# Altium PCB MB1936.PcbDoc (part 12 of 13)
Units mm, origin at the board's own origin, x right, y up, seen from the top; angles counter-clockwise.
Board outline 172 x 137 mm, 6 copper layers (Top Layer, Signal Layer 1, Signal Layer 2, Signal Layer 3, Signal Layer 4, Bottom Layer), stack 1.549 mm thick; 859 components, 672 nets, 3477 pads, 2222 vias.
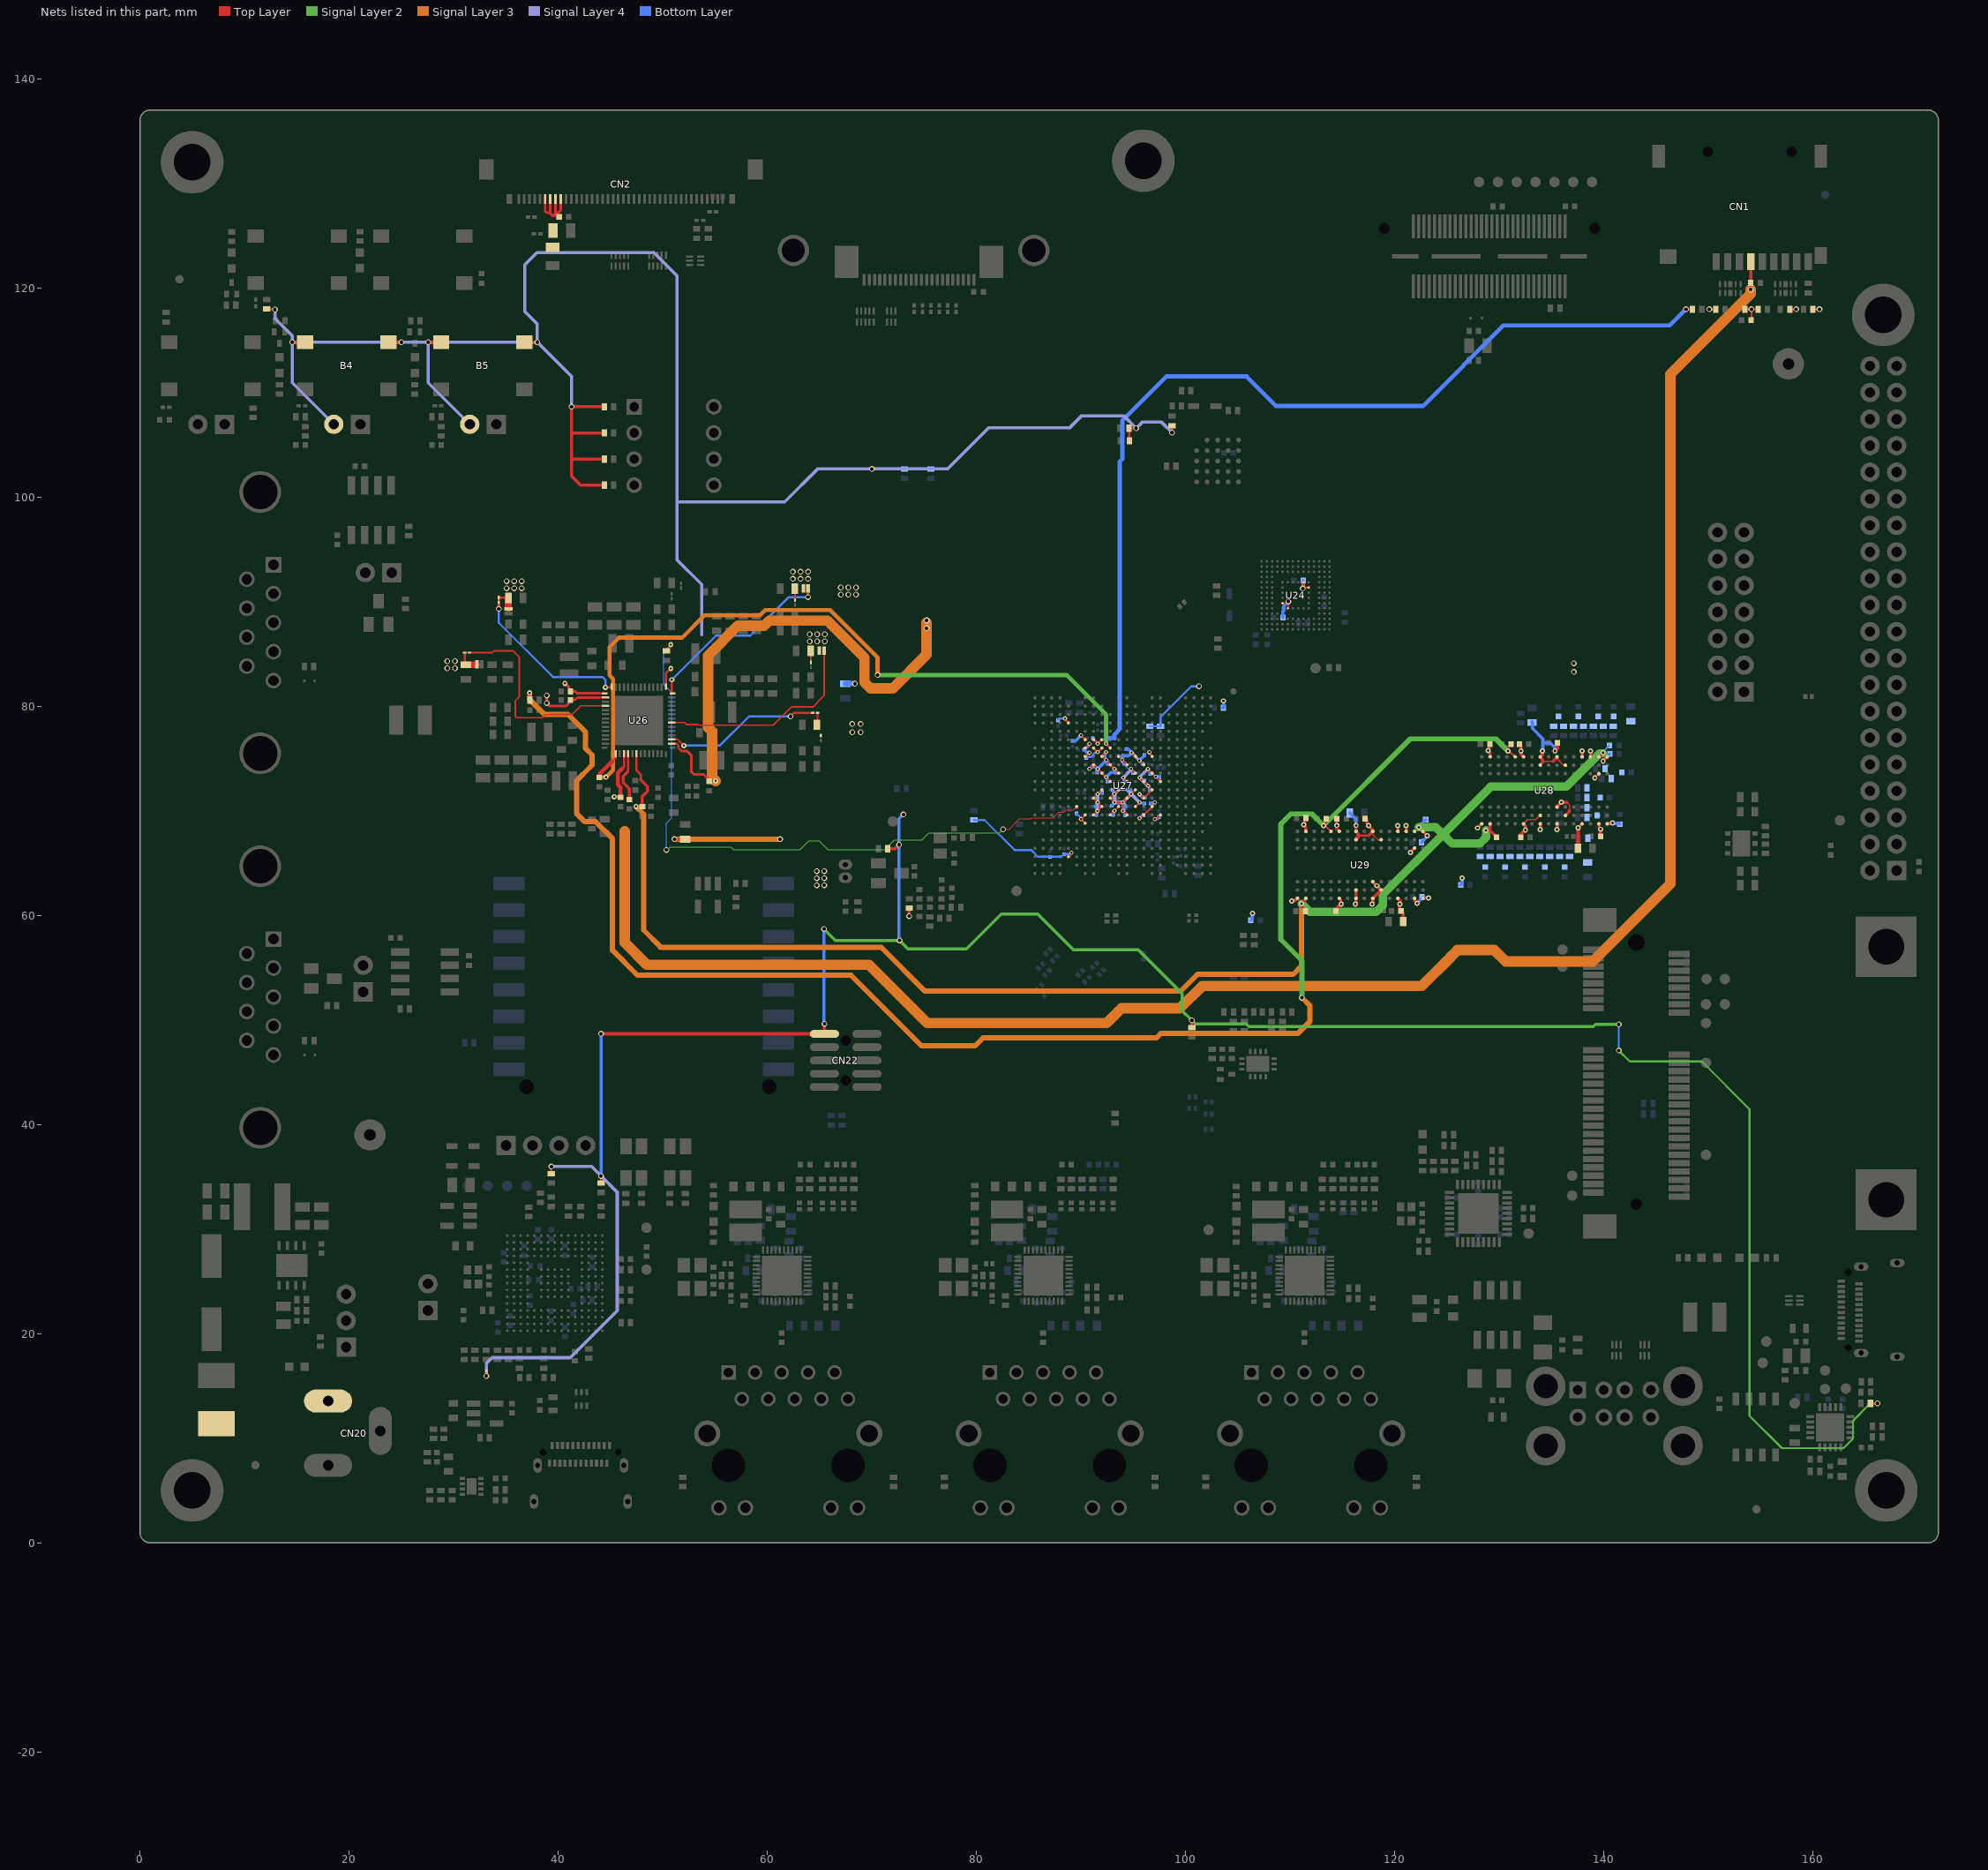
[diagram p16: the nets of this part, all layers, seen from the top]

## Via types
v1: diameter 0.55, hole 0.35, Top Layer to Bottom Layer, 1661 vias
v2: diameter 0.4, hole 0.2, Top Layer to Bottom Layer, tented both sides, 253 vias
v3: diameter 0.5, hole 0.2, Top Layer to Bottom Layer, 157 vias
v4: diameter 0.5, hole 0.25, Top Layer to Bottom Layer, 145 vias
v5: diameter 0.4, hole 0.2, Top Layer to Bottom Layer, 6 vias

## Nets (pads, with @x,y where several pads share a name; then routed paths per layer and width w, separated by ;. In a path a pad name is that pad's centre, name@x,y a point inside that pad or via, vN(x,y) a via of type N, cw(c..) or ccw(c..) an arc to the next point about the centre after c; other vN are vias at no path point) (continued)
VDD_DDR: C39.2 C48.2 C50.2 C51.2 C77.2 C79.2 C80.2 C82.2 C84.2 C85.2 C93.2 C94.2 C99.2 C188.2 C189.2 C202.2 C216.2 C217.2 C218.2 C224.2 C227.2 C230.1 C236.2 C237.2 C238.2 C243.2 C247.2 C261.2 C262.2 C264.2 LNK8.2 LNK9.2 R47.2 U26.43 U27.K15 U27.L14 U27.L16 U27.M15 U27.N14 U27.P15 U27.R14 U27.R16 U28.A1 U28.A9 U28.B3 U28.B9 U28.C1 U28.D1 U28.D9 U28.F2 U28.F8 U28.G1 U28.G7 U28.G9 U28.J1 U28.J2 U28.J8 U28.J9 U28.L1 U28.L9 U28.R1 U28.T9 U29.A1 U29.A9 U29.B3 U29.B9 U29.C1 U29.D1 U29.D9 U29.F2 U29.F8 U29.G1 U29.G7 U29.G9 U29.J1 U29.J2 U29.J8 U29.J9 U29.L1 U29.L9 U29.R1 U29.T9 | length 77.5
  Top Layer w0.09: U29.J8@116.269,62.399 U29.J8@116.269,62.424 ; 135.525,74.975 U28.G1@135.525,75.094
  Top Layer w0.1: U27.R16@97.575,69.6 U27.R16@97.6,69.6
  Top Layer w0.15: 117.718,67.815 117.757,67.815 117.797,67.775 117.845,67.775 118.389,67.232 118.694,67.232 U29.F2@118.7,67.225 ; U29.G1@117.9,67.998 U29.G1@117.9,68.025 ; U28.L9@132.325,68.75 132.325,68.775 132.7,69.15 133.475,69.15 U28.J8@133.936,69.611 ; 134.158,74.728 135.167,74.728 ; 135.525,74.975 136.15,74.35 U28.F2@136.325,74.35 ; 136.45,70.8 136.725,70.525 136.725,70.05
  Top Layer w0.2: LNK8.2@31.075,85.125 31.075,84.077 R47.2@31.175,83.977 ; v2(95.6,69.275) 95.675,69.275 U27.P15@96.8,70.4 97.05,70.65 v2(97.05,70.8) ; v2(95.6,73.15) 95.65,73.15 U27.L14@96,72.8 v2(96.42,72.379) ; v2@95.625,71.575 U27.N14@96,71.2 U27.M15@96.8,72 v2@96.421,72.379 ; v2(96.4,74) U27.K15@96.8,73.6 v2(97.15,73.25) ; v2(97.05,69.2) 97.2,69.2 U27.R16@97.6,69.6 ; v2@97.125,73.275 v2(97.15,73.25) ; U27.L16@97.6,72.8 v2(97.15,73.25) ; 116.526,67.625 117.535,67.625 ; U29.B9@121.9,61.625 121.906,61.619 121.906,61.394 v4(122.15,61.15) ; U29.A9@122.7,61.625 122.725,61.65 123.225,61.65 v4(123.25,61.675)
  Top Layer w0.21: 43.975,81.227 U26.43@44.53,81.227
  Top Layer w0.25: 40.895,81.952 40.899,81.952 41.045,81.806 41.045,81.512 C39.2@41.155,81.402 ; C39.2@41.205,81.402 41.675,81.402 41.85,81.227 43.975,81.227
  Top Layer w0.3: v3@40.644,82.203 40.895,81.952 ; v4@110.105,61.41 v4(110.144,61.372) 110.182,61.41 110.459,61.41 110.673,61.625 U29.T9@110.7,61.625 ; U29.R1@111.5,68.025 111.481,68.044 111.481,68.415 111.3,68.596 v4(111.3,68.65) 111.3,68.704 111.42,68.824 111.42,69.195 C77.2@111.525,69.3 ; C94.2@114.356,60.385 C94.2@114.394,60.422 ; C79.2@114.45,69.197 v4(114.45,68.6) 114.45,68.3 114.7,68.05 U29.L1@114.7,68.025 ; C94.2@114.468,60.697 114.846,61.075 v4(114.9,61.075) 114.862,61.113 114.862,61.436 114.7,61.598 U29.L9@114.7,61.625 ; v4(116.25,61.075) 116.3,61.125 U29.J9@116.3,61.625 U29.J8@116.3,62.425 ; U29.J2@116.3,67.225 116.32,67.244 116.32,67.317 116.526,67.524 116.526,67.625 116.526,67.772 116.3,67.998 U29.J1@116.3,68.025 v4(116.3,68.6) ; C80.2@117.325,69.25 117.325,68.857 117.4,68.782 117.4,68.729 117.5,68.629 v4(117.5,68.575) 117.5,68.55 117.881,68.169 117.881,68.044 U29.G1@117.9,68.025 ; 117.535,67.625 117.535,67.632 117.718,67.815 U29.G1@117.9,67.998 ; v4@117.896,61.08 117.9,61.084 U29.G9@117.9,61.625 U29.F8@118.7,62.425 118.688,62.425 118.3,62.813 v4(118.3,62.825) 117.913,63.213 117.9,63.213 U29.G7@117.9,63.225 ; U29.D9@120.3,61.625 120.5,61.425 v4(120.5,61.075) 120.47,61.045 120.47,60.53 120.575,60.425 120.825,60.175 C99.2@120.825,59.4 ; U29.D1@120.3,68.025 v4(120.3,68.575) ; U29.C1@121.1,68.025 v4(121.1,68.575) ; v4(121.5,66.025) U29.B3@121.9,66.425 ; U29.A1@122.7,68.025 v4(123.1,67.625) ; v4(127.927,68.35) 128.305,68.728 U28.T9@128.332,68.728 ; C51.2@129.052,76.298 129.052,75.927 128.932,75.807 128.932,75.699 129.113,75.518 U28.R1@129.113,75.147 ; C50.2@131.925,76.325 131.925,76.3 132.082,76.143 132.082,75.703 132.082,75.403 132.332,75.153 U28.L1@132.332,75.128 ; C84.2@132.025,67.425 C84.2@132.05,67.45 132.1,67.499 132.1,67.8 132.478,68.178 132.497,68.178 v4@132.5,68.175 ; U28.L9@132.332,68.701 132.5,68.533 v4@132.5,68.175 ; v4(132.5,68.15) v4@132.5,68.175 ; v4(133.9,68.2) 133.925,68.225 U28.J9@133.925,68.75 ; U28.J1@133.925,75.15 134.125,75.35 v4(134.125,75.7) ; U28.J2@133.932,74.328 133.951,74.347 133.951,74.42 134.158,74.627 134.158,74.728 134.158,74.875 U28.J1@133.932,75.101 ; 135.167,74.728 135.167,74.735 U28.G1@135.525,75.094 ; v4(135.325,75.7) 135.575,75.95 C48.2@135.575,76.375 ; v4(135.5,68.2) 135.525,68.225 U28.G9@135.525,68.75 ; U28.G7@135.525,70.35 135.525,70.4 v4(135.925,70.8) 136.45,70.8 ; U28.F8@136.325,69.55 136.725,69.95 136.725,70.05 ; C85.2@137.525,66.425 137.542,66.442 137.542,68.367 v4(137.55,68.375) 137.903,68.728 U28.D9@137.932,68.728 ; U28.D1@137.932,75.128 v4@137.932,75.678 ; U28.C1@138.732,75.128 v4@138.732,75.678 ; v4(139.125,73.15) U28.B3@139.525,73.55 ; U28.B9@139.525,68.75 139.535,68.74 139.535,68.445 139.7,68.279 v4(139.7,68.225) 139.688,68.213 139.688,67.563 C82.2@139.675,67.55 ; v4(139.925,74.75) U28.A1@140.325,75.15 ; U28.A9@140.325,68.75 140.335,68.76 140.73,68.76 140.796,68.825 v4(140.85,68.825)
  Top Layer w0.64: R47.2@31.175,83.977 LNK9.2@32.173,83.977
  Signal Layer 4 w0.3: v2(95.6,73.15) 96.356,72.394 96.406,72.394 v2@96.425,72.375 ; v2@95.716,73.179 95.716,73.316 v2(96.4,74)
  Bottom Layer w0.09: C202.2@140.55,75.425 C202.2@140.575,75.4
  Bottom Layer w0.2: v2(96.4,74) 96.4,73.946 96.549,73.796 96.549,73.599 C216.2@96.624,73.524 ; C216.2@96.631,73.524 96.704,73.452 96.933,73.452 97.135,73.25 v2(97.15,73.25) ; v2@97.125,73.275 v2(97.15,73.25) ; v2@97.15,73.23 v2(97.15,73.25)
  Bottom Layer w0.3: v2@95.6,69.229 v2(95.6,69.275) 95.875,69.55 95.95,69.55 C243.2@95.975,69.575 ; v2(95.6,71.575) 95.9,71.275 C227.2@96.1,71.275 ; v2(95.6,73.15) 95.627,73.15 95.863,72.914 96.035,72.914 96.074,72.874 96.099,72.85 96.099,72.7 v2(96.42,72.379) ; v2@96.425,72.375 96.425,72.347 96.549,72.223 96.549,71.999 C224.2@96.574,71.974 ; C230.1@96.675,70.7 96.7,70.725 96.948,70.725 97.023,70.8 v2(97.05,70.8) ; v2(97.05,69.2) 97.069,69.219 97.269,69.219 C237.2@97.45,69.4 ; v2@97.125,73.275 97.425,73.275 C217.2@97.5,73.2 ; C189.2@103.62,79.846 103.625,79.851 v4(103.625,80.5) ; C264.2@106.25,59.525 106.4,59.675 v4(106.4,60.175) ; C236.2@115.7,69.8 116.088,69.412 ; 116.125,69.375 116.3,69.2 v4(116.3,68.6) ; v4@122.075,61.1 122.65,61.675 v4(123.25,61.675) ; C247.2@122.575,66.975 123.1,67.5 v4(123.1,67.625) ; C261.2@126.3,62.9 126.45,63.05 v4(126.45,63.55) ; C188.2@133.125,78.5 C188.2@133.125,78.425 133.166,78.384 133.166,77.873 134.166,76.873 134.166,76.487 ; v4(134.125,75.7) 134.166,75.741 134.166,76.487 ; v4(135.325,75.7) 135.325,76.025 134.864,76.487 134.166,76.487 ; v4(139.925,74.75) 139.925,74.8 140.55,75.425 C202.2@140.438,75.313 ; v4@140.875,68.775 141.475,68.775 C238.2@141.525,68.725
  other v1: 29.4,83.625 30.125,83.625 29.4,84.3 30.125,84.3
  other v3: 40.65,82.175
  other v4: 117.85,61.075 137.925,75.7 138.725,75.7 132.075,75.725 128.925,75.75
VDD_DDR_FB: LNK8.1 U26.46 | length 20.1
  Top Layer w0.15: LNK8.1@31.525,85.125 33.7,85.125 33.875,85.3 35.687,85.3 35.871,85.116 36.275,84.712 36.275,80.875 35.9,80.5 35.9,79.017 36.017,78.9 38.467,78.9 38.767,79.2 39.437,79.2 39.439,79.202 41.327,79.202 42.152,80.027 U26.46@44.53,80.027
VDD_EMMC: C65.1 C177.2 C180.2 U24.E6 U24.F5 U24.J10 U24.K9 U26.16 | length 54.6
  Top Layer w0.2: U24.E6@109.275,89.85 109.58,89.85 109.73,90 v1(109.825,90) ; U24.F5@109.775,89.35 109.775,89.358 109.825,89.408 v1@109.825,89.85 ; v1(111.2,91.25) v1@111.275,91.325 ; U24.J10@111.275,91.85 111.275,91.42 111.267,91.412 111.267,91.333 v1@111.275,91.325 ; U24.K9@111.775,91.35 111.395,91.35 111.362,91.317 111.283,91.317 v1@111.275,91.325
  Top Layer w0.21: U26.16@50.87,76.427 51.3,76.427 51.488,76.24 51.488,76.015 51.634,75.868
  Top Layer w0.25: 51.632,75.865 51.798,75.699 52.328,75.699 52.725,75.302 52.725,73.752 53,73.477 53.895,73.477 54.45,72.922 C65.1@54.45,72.852
  Top Layer w0.3: C65.1@54.45,72.852 v3(55.06,72.852)
  Signal Layer 3 w1: v3(55.06,72.852) 54.705,73.207 54.705,77.595 54.35,77.95 54.35,84.85 57.206,87.706 59.719,87.706 60.188,88.175 65.75,88.175 69.3,84.625 69.3,82.286 69.886,81.7 72,81.7 75.225,84.925 v1(75.225,87.45) v1@75.225,88
  Bottom Layer w0.3: C180.2@109.3,88.475 109.3,89.049 109.4,89.149 109.4,89.575 v1(109.825,90) ; v1(111.2,91.25) 111.225,91.275 111.225,92 C177.2@111.25,92.025
  other v1: 75.225,88.2
VDD_SDCARD: C6.2 C72.1 CN1.4 U26.4 | length 188
  Top Layer w0.21: 46.125,74.027 46.3,74.202 U26.4@46.3,75.457
  Top Layer w0.3: v3(45.365,71.337) C72.1@45.975,71.337 ; v1(154.05,119.83) C6.2@154.05,120.48 CN1.4@154.05,122.5
  Top Layer w0.4: C72.1@45.975,71.337 45.975,72.22 45.71,72.485 45.71,73.612 46.125,74.027
  Signal Layer 3 w1: 46.375,68.025 46.375,57.375 48.475,55.275 69.725,55.275 75.3,49.7 92.45,49.7 93.875,51.125 99.475,51.125 101.6,53.25 122.6,53.25 125.4,56.05 125.4,56.089 125.986,56.675 129.525,56.675 130.6,55.6 138.95,55.6 146.35,63 146.35,111.725 154.05,119.425 v1(154.05,119.83)
VDD_XXXX: C73.1 U26.5 | length 4.6
  Top Layer w0.21: 46.578,73.655 46.7,73.777 U26.5@46.7,75.457
  Top Layer w0.3: 46.578,73.655 46.21,73.287 46.21,72.692 46.8,72.102 46.8,71.337
VDDA1V8_AON: C234.2 R58.2 R70.1 U27.R7 U27.T7 | length 13.7
  Top Layer w0.2: v2(90,69.2) U27.R7@90.4,69.6 ; v2(90,69.2) U27.T7@90.4,68.8
  Top Layer w0.3: v1(51.125,67.275) R58.2@52.15,67.275 ; v1(73.575,59.925) R70.1@73.575,60.675
  Signal Layer 3 w0.5: v1(51.125,67.275) v1(61.225,67.275)
  Bottom Layer w0.2: C234.2@89.575,69.7 89.625,69.7 89.962,69.364 89.962,69.238 v2(90,69.2)
VDDCORE: C192.2 C197.2 C201.2 C204.1 C207.2 C210.2 C213.2 C214.2 C219.1 LNK2.2 LNK5.1 R36.2 R249.1 U27.D5 U27.F7 U27.G7 U27.H7 U27.H9 U27.J8 U27.J10 U27.K9 U27.K11 U27.L10 | length 18.9
  Top Layer w0.2: LNK5.1@62.65,90.15 62.65,91.232 R36.2@62.63,91.252 R36.2@62.653,91.275 ; v2(88.475,78.825) 88.475,78.725 U27.D5@88.8,78.4 ; v2(90,77.2) U27.F7@90.4,76.8 U27.F7@90.425,76.8 ; U27.H7@90.4,75.2 90.425,75.2 90.775,75.55 v2(90.8,75.55) ; U27.G7@90.4,76 v2(90.8,76.4) ; v2(90.8,74) U27.J8@91.2,74.4 v2(91.6,74) v2(92.4,73.2) U27.L10@92.8,72.8 ; v2(92.4,75.6) U27.H9@92,75.2 v2@92.425,74.775 ; v2(92.425,74.85) v2@92.425,74.775 ; U27.K11@93.6,73.6 v2(93.2,74) U27.J10@92.8,74.4 v2@92.425,74.775
  Bottom Layer w0.2: C192.2@87.8,78.7 87.9,78.8 88.038,78.8 v2@88.4,78.8
  Bottom Layer w0.3: C197.2@89.2,76.675 89.475,76.675 v2(90,77.2) ; v2(90.8,74) 91,74.2 91.4,74.2 v2(91.6,74) ; v2(90.8,75.55) 90.576,75.55 C201.2@90.3,75.825 90.8,76.325 v2(90.8,76.4) ; C214.2@91.55,73.65 91.55,73.95 v2(91.6,74) ; v2(92.4,75.6) 92.275,75.475 C204.1@92.275,75.25 92.275,75 v2(92.425,74.85) ; C219.1@92.55,72.825 92.55,73.05 v2(92.4,73.2) 92.85,73.65 C213.2@93.326,73.65 93.325,73.875 v2(93.2,74) ; C210.2@92.551,74.475 92.55,74.725 v2(92.425,74.85) ; v2(91.6,74) 92.425,74.825 v2(92.425,74.85)
  Bottom Layer w0.5: R249.1@67.45,82.15 v1(68.375,82.15)
  other v1: 62.45,92.175 63.175,92.175 63.9,92.175 62.45,92.85 63.175,92.85 63.9,92.85
VDDCORE_FB: LNK2.1 U26.28 | length 18.5
  Top Layer w0.2: U26.28@50.87,81.227 v3(50.87,82.527) ; v1(63.9,90.425) LNK2.1@63.9,91.275
  Bottom Layer w0.2: v3(50.87,82.527) 55.093,86.75 58.375,86.75 62.05,90.425 v1(63.9,90.425)
VDDCPU: C199.2 C200.1 C203.2 C208.2 C209.2 C215.1 C220.2 LNK4.1 LNK6.1 R39.2 U27.H11 U27.H13 U27.H15 U27.J12 U27.J14 U27.K13 U27.L12 | length 13.4
  Top Layer w0.2: LNK4.1@34.325,90.375 35.222,90.375 R39.2@35.245,90.352 ; U27.H11@93.6,75.2 v2(93.945,74.855) U27.J12@94.4,74.4 ; v2(94.045,73.155) U27.L12@94.4,72.8 ; v2(94.775,74.005) 95.18,73.6 U27.K13@95.2,73.6 ; v2(94.845,75.555) U27.H13@95.2,75.2 ; v2(95.595,74.805) U27.J14@96,74.4 ; v2(96.54,75.591) 96.578,75.553 96.578,75.449 96.8,75.227 U27.H15@96.8,75.2
  Top Layer w0.64: LNK6.1@35.225,89.354 R39.2@35.225,90.352
  Signal Layer 4 w0.3: v2(94.045,73.155) 94.756,73.866 94.756,73.986 v2(94.775,74.005) ; v2(94.845,75.555) v2(95.595,74.805)
  Bottom Layer w0.1: C208.2@94.15,74.48 94.15,74.379 94.524,74.005 v2(94.775,74.005)
  Bottom Layer w0.2: v2(94.045,73.155) 94.045,72.855 C220.2@94.125,72.775 ; v2@94.775,73.978 v2(94.775,74.005) ; C215.1@94.95,73.625 94.95,73.803 ; v2(95.595,74.805) 95.633,74.767 95.633,74.692 C209.2@95.875,74.45
  Bottom Layer w0.3: C208.2@94.15,74.48 93.945,74.685 v2(93.945,74.855) 93.945,75.17 C203.2@94.025,75.25 94.548,75.25 v2@94.853,75.555 ; C199.2@94.325,75.875 94.525,75.875 v2(94.845,75.555) ; v2@94.775,73.978 94.95,73.803 ; v2(95.595,74.805) C200.1@96.095,75.305
  other v1: 67.025,90.666 67.75,90.666 68.475,90.666 35.065,91.273 35.79,91.273 36.515,91.273 67.025,91.341 67.75,91.341 68.475,91.341 35.065,91.948 35.79,91.948 36.515,91.948
VDDCPU_FB: LNK4.2 U26.42 | length 15.7
  Top Layer w0.2: v1(34.325,89.3) LNK4.2@34.325,89.925 ; v3(44.525,81.802) U26.42@45.095,81.802
  Bottom Layer w0.2: v1(34.325,89.3) 34.325,87.975 39.51,82.79 44.235,82.79 44.525,82.5 v3(44.525,81.802)
VDDGPU: C222.2 C223.2 C229.1 C231.2 C232.2 C242.2 LNK7.2 LNK10.1 R45.2 U27.M11 U27.M13 U27.N10 U27.N12 U27.P13 U27.R12 | length 19.9
  Top Layer w0.2: LNK10.1@64.175,84.175 R45.2@64.175,85.257 ; U27.M11@93.6,72 v2(93.2,71.6) U27.N10@92.8,71.2 v2(93.195,70.805) 93.197,70.803 93.997,70.803 v2(94,70.8) ; U27.R12@94.4,69.6 v2(94,70) v2(94,70.8) ; U27.P13@95.2,70.4 v2(95.6,70.8) ; U27.M13@95.2,72 v2(94.8,71.6) v2(94,70.8)
  Signal Layer 4 w0.2: v2(94,70) v2(94,70.8)
  Signal Layer 4 w0.3: v2(93.2,71.6) 93.675,72.075 94.325,72.075 v2(94.8,71.6) ; v2(94,70.8) v2(94.8,71.6) ; v2(95.6,70.8) v2(94.8,71.6)
  Signal Layer 4 w0.4: v2(93.2,71.6) 93.2,70.8 v2(94,70.8)
  Bottom Layer w0.2: C223.2@93.025,72 93.025,71.775 v2(93.2,71.6) 93.197,71.598 93.197,70.808 v2(93.195,70.805) 93.197,70.803 93.997,70.803 v2(94,70.8) ; v2(95.6,70.8) 95.695,70.705 C229.1@96.075,70.705
  Bottom Layer w0.3: C231.2@92.95,70.48 93.176,70.706 93.176,70.786 v2(93.195,70.805) ; v2(94,70.8) 94.175,70.625 C232.2@94.175,70.425 94.175,70.175 v2(94,70) 94.2,69.8 C242.2@94.2,69.575 ; C222.2@94.675,72 94.8,71.875 v2(94.8,71.6) v2(95.6,70.8)
  other v1: 64.725,62.875 65.45,62.875 64.725,63.55 65.45,63.55 64.725,64.225 65.45,64.225 64.05,86.2 64.775,86.2 65.5,86.2 64.05,86.875 64.775,86.875 65.5,86.875
VDDGPU_FB: LNK7.1 U26.21 | length 20.2
  Top Layer w0.15: U26.21@50.75,78.427 52.083,78.427 52.26,78.25 53.34,78.25 53.413,78.177 60.552,78.177 62.3,79.925 64.35,79.925 65.425,81 LNK7.1@65.425,85.3
VDDIO: B4.1 B4.2 B5.1 B5.2 C196.2 C205.2 C221.2 C228.2 C233.1 C240.2 C241.1 CN7.2 CN8.2 CN22.1 LNK11.2 LNK12.2 LNK13.1 R7.2 R27.2 R31.2 R32.2 R53.2 R67.2 R68.2 R71.2 R76.2 R79.2 R91.2 R107.2 R125.2 R223.2 R245.2 R246.2 R260.2 R261.2 U26.29 U27.F8 U27.F9 U27.G8 U27.G9 U27.M9 U27.N8 U27.P9 U27.P11 U27.R8 U27.R10 | length 464.8
  Top Layer w0.2: R7.2@12.123,117.975 12.148,117.95 12.893,117.95 v1(12.918,117.925) ; v1(33.125,15.95) LNK13.1@33.125,16.43 ; R107.2@39.35,35.3 v1(39.35,35.975) ; R125.2@44.1,34.4 v1(44.1,35.075) ; U26.29@50.3,81.872 50.3,83.125 v3(50.775,83.6) ; R53.2@64.755,78.227 64.8,78.272 LNK11.2@64.8,79.375 ; U27.R8@91.2,69.6 v2(91.575,69.975) U27.P9@92,70.4 v2(91.6,70.8) U27.N8@91.2,71.2 v2(91.6,71.6) U27.M9@92,72 ; U27.G8@91.2,76 91.599,75.6 U27.G9@92,76 ; U27.F8@91.2,76.8 v2(91.6,76.4) U27.F9@92,76.8 ; U27.R10@92.8,69.6 v2(93.2,70) U27.P11@93.6,70.4 ; R32.2@94.63,105.375 94.605,105.4 R31.2@94.605,106.575 v1(95.28,106.575) ; v1(98.709,106.15) R27.2@98.709,106.825 ; R223.2@165.495,13.325 v1(166.17,13.325)
  Top Layer w0.3: v1(14.567,114.8) B4.1@15.812,114.8 ; B4.2@23.763,114.8 v1(25.007,114.8) ; v1(27.568,114.8) B5.1@28.813,114.8 ; B5.2@36.763,114.8 v1(38.008,114.8) ; v1@44.1,48.665 CN22.1@65.465,48.665 65.475,48.675 v1(65.475,49.625) ; R79.2@44.425,101.125 42.15,101.125 41.275,102 41.275,103.575 ; R76.2@44.425,103.625 41.325,103.625 41.275,103.575 ; R71.2@44.425,106.125 41.3,106.125 41.275,106.1 ; R68.2@44.425,108.625 v1(41.275,108.625) 41.275,106.1 ; R67.2@71.525,66.375 72.225,66.375 v1(72.6,66.75) ; R91.2@100.6,49.275 v1(100.6,49.95) ; 41.275,103.575 41.275,106.1
  Signal Layer 2 w0.2: v1(141.425,47.075) 142.475,46.025 149.375,46.025 153.925,41.475 153.925,12.154 157.029,9.05 162.92,9.05 163.825,9.955 163.825,11.672 165.478,13.325 v1(166.17,13.325)
  Signal Layer 2 w0.3: v1(65.425,58.7) 66.525,57.6 v1(72.65,57.6) 73.45,56.8 79.05,56.8 82.375,60.125 85.85,60.125 89.288,56.687 95.489,56.687 99.656,52.52 99.656,50.894 v1(100.6,49.95) 100.925,49.625 105.8,49.625 106.05,49.375 139,49.375 139.2,49.575 v1(141.425,49.575)
  Signal Layer 4 w0.3: v1(12.918,117.925) 12.918,117.057 14.567,115.408 v1(14.567,114.8) ; CN7.2@18.543,106.95 14.567,110.925 v1(14.567,114.8) ; CN8.2@31.543,106.95 27.568,110.925 v1(27.568,114.8) ; v1(33.125,15.95) 33.125,17.15 33.675,17.7 41.15,17.7 45.65,22.2 45.65,33.525 v1(44.1,35.075) 43.2,35.975 v1(39.35,35.975) ; v1(41.275,108.625) 41.275,111.533 v1(38.008,114.8) ; 53.725,86.825 53.725,91.625 51.35,94 51.35,99.525 ; v2(91.575,69.975) 91.6,70 v2(91.6,71.6) ; v1(98.709,106.15) 97.709,107.15 95.855,107.15 v1(95.28,106.575) 94.08,107.775 90.075,107.775 88.9,106.6 81.15,106.6 77.225,102.675 v1(70,102.675) 64.8,102.675 61.65,99.525 51.35,99.525 ; v1(14.567,114.8) v1(25.007,114.8) v1(27.568,114.8) ; v1(27.568,114.8) v1(38.008,114.8) ; v1(38.008,114.8) 38.008,116.542 36.825,117.725 36.825,122.225 37.975,123.375 49.15,123.375 51.35,121.175 51.35,99.525
  Bottom Layer w0.2: C205.2@90.5,75.05 90.575,75.125 90.667,75.125 90.692,75.15 90.931,75.15 90.946,75.165 90.981,75.165 91.2,75.384 91.2,75.419 91.342,75.561 91.561,75.561 v2(91.599,75.599) ; C196.2@91.125,76.925 91.6,76.45 v2(91.6,76.4) ; R261.2@96.575,78.075 R260.2@97.6,78.075 97.6,78.95 100.55,81.9 v1(101.29,81.9) ; v1(141.425,47.075) v1(141.425,49.575)
  Bottom Layer w0.3: v1(44.1,35.075) v1(44.1,48.675) ; v1(65.425,58.7) 65.425,49.743 65.475,49.693 v1(65.475,49.625) ; v1(70,102.675) R246.2@73.109,102.675 R245.2@75.649,102.675 ; v1(72.65,57.6) 72.65,57.668 72.6,57.718 v1(72.6,66.75) 72.6,69.225 v1(73.025,69.65) ; C241.1@91.475,69.6 91.475,69.875 v2(91.575,69.975) 91.475,70.075 91.475,70.675 v2(91.6,70.8) 91.475,70.925 91.475,71.475 91.725,71.725 C221.2@92.025,71.725 ; C240.2@93.075,69.6 93.075,69.875 v2(93.2,70) v2@93.225,70
  other v1: 68.125,77.5 68.925,77.5 68.125,78.3 68.925,78.3
VDDIO_FB: LNK11.1 U26.17 | length 15
  Top Layer w0.15: U26.17@50.87,76.827 51.4,76.827 52.003,76.224 v3(52.015,76.224)
  Top Layer w0.2: v1(62.225,79.025) 62.575,79.375 LNK11.1@64.35,79.375
  Bottom Layer w0.2: v3(52.015,76.224) 55.449,76.224 58.25,79.025 v1(62.225,79.025)
VDDIO_SDCARD: C8.2 C63.1 C195.2 R10.2 R11.2 R12.2 R13.2 R14.2 R15.2 U26.2 U27.G10 | length 171.1
  Top Layer w0.2: v2(92.4,76.4) U27.G10@92.8,76 ; v1(147.855,117.95) R10.2@148.475,117.95 ; v1(150.08,117.95) R11.2@150.7,117.95 ; R12.2@153.5,117.95 v1(154.12,117.95) ; C8.2@154.075,116.925 154.12,116.97 v1(154.12,117.95) ; R13.2@154.74,117.95 v1(154.12,117.95) ; R14.2@157.775,117.95 v1(158.395,117.95) ; R15.2@160,117.95 v1(160.62,117.95)
  Top Layer w0.21: 45.159,74.7 45.5,75.041 U26.2@45.5,75.457
  Top Layer w0.3: C63.1@43.95,73.207 v3(44.56,73.207)
  Top Layer w0.4: C63.1@43.95,73.207 43.99,73.247 43.99,73.531 45.159,74.7
  Signal Layer 2 w0.4: v1(70.55,82.975) 88.625,82.975 92.4,79.2 v2(92.4,76.4)
  Signal Layer 3 w0.4: v3(44.56,73.207) 45.25,73.897 45.25,82.6 44.9,82.95 44.9,85.65 45.8,86.55 51.85,86.55 53.975,88.675 59.301,88.675 59.813,89.188 65.987,89.188 70.55,84.625 v1(70.55,82.975)
  Bottom Layer w0.4: v2(92.4,76.4) 92.4,76.715 92.635,76.95 C195.2@93.201,76.95 93.201,77.294 93.7,77.793 93.7,103.366 93.95,103.616 93.95,107.304 98.171,111.525 102.45,111.525 105.85,111.525 108.675,108.7 122.7,108.7 130.4,116.4 146.305,116.4 v1(147.855,117.95)
VIN_JACK: CN20.1 F1.1
VLED: C3.2 C4.2 CN2.32 CN2.33 CN2.34 CN2.35 R5.1 | length 7.3
  Top Layer w0.25: CN2.35@38.75,128.5 38.75,127.321 38.896,127.175 39.175,127.175 39.25,127.1 ; CN2.34@39.25,128.5 39.25,127.1 ; CN2.33@39.75,128.5 39.75,127.15 39.475,126.875 ; CN2.32@40.25,128.5 40.25,127.425 39.8,126.975 39.7,126.875 39.475,126.875 ; 39.25,127.1 39.475,126.875
VPP_DDR: C74.1 C83.2 C95.2 C198.2 C245.2 U26.7 U28.B1 U28.R9 U29.B1 U29.R9 | length 141.4
  Top Layer w0.09: U29.B1@121.894,68.024 U29.B1@121.971,68.024 ; U28.B1@139.526,75.127 U28.B1@139.602,75.127
  Top Layer w0.15: U29.B1@121.9,68.025 v4(122.3,68.425)
  Top Layer w0.21: U26.7@47.5,75.457 47.5,73.852 47.915,73.437 47.915,73.08
  Top Layer w0.3: v3(47.44,70.407) C74.1@48.05,70.407 ; 47.915,73.08 47.915,72.945 48.535,72.325 48.535,71.862 48.05,71.377 C74.1@48.05,70.557 ; C95.2@111.45,60.4 111.475,60.425 111.475,60.45 111.1,60.825 v4(111.1,61.1) 111.1,61.175 111.5,61.575 U29.R9@111.5,61.625 ; v4(128.725,68.125) v4@128.882,68.125 ; U28.R9@129.125,68.75 129.125,68.368 128.979,68.222 v4@128.882,68.125 ; C83.2@129.75,67.45 129.075,68.125 v4@128.882,68.125 ; U28.B1@139.532,75.128 v4@139.932,75.528
  Signal Layer 2 w0.8: v4@111.087,61.087 v4(111.1,61.1) 111.875,60.325 118.225,60.325 118.854,60.954 118.854,61.976 124.62,67.743 ; v4(122.3,68.425) 123.938,68.425 124.62,67.743 ; v4(128.725,68.125) 128.725,67.45 128.152,66.876 125.487,66.876 124.62,67.743 ; v4@139.875,75.5 139.615,75.5 136.415,72.3 129.178,72.3 124.62,67.743
  Signal Layer 3 w0.5: v3(47.44,70.407) 48.175,69.672 48.175,58.575 49.8,56.95 70.875,56.95 75.075,52.75 99.525,52.75 101.128,54.353 110.28,54.353 111.1,55.173 111.1,59.475 v4(111.1,61.1)
  Bottom Layer w0.09: v4(139.925,75.55) v4@139.925,75.65 ; C198.2@140.5,76.225 C198.2@140.55,76.225
  Bottom Layer w0.15: v4@139.925,75.65 C198.2@140.5,76.225
  Bottom Layer w0.3: v4(122.3,68.425) 122.339,68.463 122.339,68.538 122.95,69.15 C245.2@122.975,69.15
VREF+: C248.2 C250.2 R269.2 U27.Y5 | length 11.4
  Top Layer w0.2: U27.Y5@88.8,65.6 89.037,65.837 89.037,65.942 v2(89.076,65.981)
  Bottom Layer w0.2: R269.2@79.763,69.113 80.775,69.113 83.638,66.25 85.229,66.25 85.879,65.6 C250.2@87.025,65.6 88.125,65.6 C248.2@88.375,65.85 88.904,65.85 89.035,65.981 v2(89.076,65.981)
VREF_DDR: C49.2 C78.2 R52.2 U28.M1 U29.M1 | length 152.8
  Top Layer w0.2: C78.2@113.45,69.25 113.45,68.825 113.275,68.65 U29.M1@113.9,68.025 ; v4(130.825,75.725) 130.927,75.725 131.502,75.15 U28.M1@131.525,75.15 ; v4@130.836,75.84 130.836,76.085 C49.2@131.125,76.375
  Top Layer w0.3: R52.2@37.275,80.575 v3@37.275,81.185
  Signal Layer 2 w0.5: v1(111.125,52.125) 111.125,55.675 109.1,57.7 109.1,68.725 110.075,69.7 112.075,69.7 v4(113.2,68.575) 121.5,76.875 129.675,76.875 v4(130.825,75.725)
  Signal Layer 3 w0.5: v3(37.275,81.275) 37.275,80.625 38.675,79.225 40.925,79.225 42.625,77.525 42.625,75.95 43.248,75.327 43.248,74.364 43.075,74.191 41.75,72.866 41.75,69.75 42.55,68.95 43.575,68.95 45.2,67.325 45.2,56.65 47.575,54.275 53.875,54.275 68,54.275 74.75,47.525 79.875,47.525 80.625,48.275 97.2,48.275 97.625,48.7 110.725,48.7 111.9,49.875 111.9,51.35 v1(111.125,52.125)
VTT_DDR: C40.2 C183.2 C184.2 C185.2 C186.2 C187.2 C211.2 C226.2 C239.2 C254.2 C255.2 C256.2 C257.2 C258.2 C259.2 R253.2 R254.2 R255.2 R256.2 R257.2 R258.2 R259.2 R263.2 R264.2 R265.2 R266.2 R268.2 R271.2 R273.2 R275.2 R276.2 R277.2 R278.2 R279.2 R280.2 R281.2 R282.2 R283.2 R284.2 U26.44 | length 7
  Top Layer w0.21: 43.975,80.827 U26.44@44.53,80.827
  Top Layer w0.25: v1(38.9,81.025) v1(38.9,81.025) v1(38.902,80.3) ; v1@38.925,80.3 v1(38.902,80.3) ; C40.2@41.205,80.577 41.135,80.577 41.02,80.462 41.02,80.272 40.775,80.027 39.175,80.027 v1(38.902,80.3) ; C40.2@41.21,80.462 41.365,80.617 41.64,80.617 41.85,80.827 43.975,80.827
  other v1: 137.125,83.275 137.125,84.1
WAKEUPn: R46.1 U27.P6 | length 63.1
  Top Layer w0.09: v1(82.55,68.225) 83.125,68.225 84.12,69.22 84.698,69.22 84.703,69.215 85.189,69.215 85.289,69.315 87.318,69.315 87.6,69.597 87.6,69.603 87.882,69.885 88.356,69.885 88.546,70.075 89.275,70.075 U27.P6@89.6,70.4
  Top Layer w0.15: R46.1@50.35,85.275 50.512,85.437 50.512,85.612 v3(50.775,85.875)
  Signal Layer 2 w0.1: v1(50.35,66.25) 50.418,66.25 50.718,66.55 56.525,66.55 56.775,66.3 63.142,66.3 63.967,67.125 64.958,67.125 65.783,66.3 71.275,66.3 72.175,67.2 74.794,67.2 75.469,67.875 82.2,67.875 v1(82.55,68.225)
  Bottom Layer w0.1: v1(50.35,66.25) 50.35,68.825 50.85,69.325 50.85,81.3 50.1,82.05 50.1,85.2 v3(50.775,85.875)
pads on no net: CART-1.1 CN1.13 CN1.NPTH1 CN1.NPTH2 CN2.20 CN2.21 CN2.22 CN2.23 CN2.24 CN2.25 CN2.26 CN2.27 CN2.28 CN2.29 CN3.2 CN3.20 CN3.22 CN3.24 CN3.25 CN3.26 CN3.28 CN3.30 CN3.31 CN3.33 CN3.34 CN3.38 CN3.41 CN3.42 CN3.43 CN3.45 CN3.51 CN3.55 CN3.59 CN3.65 CN3.66 CN9.1 CN9.4 CN9.8 CN11.1 CN11.4 CN11.8 CN13.17 CN13.19 CN13.55 CN13.56 CN13.57 CN13.58 CN15.0 CN15.A2 CN15.A3 CN15.A8 CN15.A10 CN15.A11 CN15.B2 CN15.B3 CN15.B8 CN15.B10 CN15.B11 CN16.17 CN16.18 CN17.17 CN17.18 CN18.17 CN18.18 CN21.0 CN21.A2 CN21.A3 CN21.A8 CN21.A10 CN21.A11 CN21.B2 CN21.B3 CN21.B8 CN21.B10 CN21.B11 CN22.NPTH1 CN22.NPTH2 CN25.0 MIRE1.1 MIRE2.1 MIRE3.1 MIRE4.1 MIRE5.1 MIRE6.1 U8.5 U8.6 U9.5 U9.6 U22.A2 U22.A3 U22.A5 U22.B1 U22.B5 U22.C1 U22.C3 U22.C5 U22.D1 U22.D5 U22.E1 U22.E2 U22.E3 U22.E4 U22.E5 U24.A1 U24.A2 U24.A7 U24.A8 U24.A9 U24.A10 U24.A11 U24.A12 U24.A13 U24.A14 U24.B1 U24.B7 U24.B8 U24.B9 U24.B10 U24.B11 U24.B12 U24.B13 U24.B14 U24.C1 U24.C3 U24.C5 U24.C7 U24.C8 U24.C9 U24.C10 U24.C11 U24.C12 U24.C13 U24.C14 U24.D1 U24.D2 U24.D3 U24.D4 U24.D12 U24.D13 U24.D14 U24.E1 U24.E2 U24.E3 U24.E5 U24.E8 U24.E9 U24.E10 U24.E12 U24.E13 U24.E14 U24.F1 U24.F2 U24.F3 U24.F10 U24.F12 U24.F13 U24.F14 U24.G1 U24.G2 U24.G3 U24.G10 U24.G12 U24.G13 U24.G14 U24.H1 U24.H2 U24.H3 U24.H12 U24.H13 U24.H14 U24.J1 U24.J2 U24.J3 U24.J12 U24.J13 U24.J14 U24.K1 U24.K2 U24.K3 U24.K6 U24.K7 U24.K10 U24.K12 U24.K13 U24.K14 U24.L1 U24.L2 U24.L3 U24.L12 U24.L13 U24.L14 U24.M1 U24.M2 U24.M3 U24.M7 U24.M8 U24.M9 U24.M10 U24.M11 U24.M12 U24.M13 U24.M14 U24.N1 U24.N3 U24.N6 U24.N7 U24.N8 U24.N9 U24.N10 U24.N11 U24.N12 U24.N13 U24.N14 U24.P1 U24.P2 U24.P7 U24.P8 U24.P9 U24.P10 U24.P11 U24.P12 U24.P13 U24.P14 U27.A2 U27.A3 U27.A4 U27.AA4 U27.B1 U27.B2 U27.B3 U27.B4 U27.C1 U27.C2 U27.C3 U27.C10 U27.C12 U27.E10 U27.E11 U27.E13 U27.E15 U27.F11 U27.F13 U27.F14 U27.F15 U27.G12 U27.G14 U27.G16 U27.J7 U27.J18 U27.K3 U27.K17 U27.M3 U27.T18 U27.U16 U27.U18 U27.U19 U27.V6 U27.W4 U28.P9 U28.T7 U29.P9 U29.T7 U30.3 U34.8 U34.9 U34.20 U35.4 U36.A1 U36.A3 U36.A4 U36.A5 U36.A8 U36.A9 U36.A11 U36.A12 U36.A13 U36.B4 U36.B5 U36.B6 U36.B7 U36.B8 U36.B9 U36.B10 U36.B11 U36.B12 U36.B15 U36.C2 U36.C3 U36.C4 U36.C12 U36.C13 U36.C14 U36.C15 U36.D1 U36.D2 U36.D3 U36.D11 U36.D13 U36.D14 U36.E1 U36.E2 U36.E3 U36.E4 U36.E12 U36.E13 U36.E14 U36.E15 U36.F1 U36.F4 U36.F14 U36.G4 U36.G14 U36.G15 U36.H2 U36.H3 U36.H4 U36.H14 U36.J2 U36.J3 U36.J4 U36.K1 U36.K2 U36.K3 U36.K12 U36.K13 U36.K14 U36.K15 U36.L1 U36.L12 U36.L13 U36.L14 U36.L15 U36.M2 U36.M3 U36.M4 U36.M7 U36.M12 U36.M13 U36.M14 U36.M15 U36.N2 U36.N4 U36.N6 U36.N7 U36.N11 U36.N13 U36.N14 U36.N15 U36.P2 U36.P4 U36.P5 U36.P6 U36.P7 U36.P8 U36.P9 U36.P10 U36.P11 U36.P12 U36.P13 U36.P14 U36.P15 U36.R2 U36.R3 U36.R6 U36.R7 U36.R8 U36.R9 U36.R10 U36.R11 U36.R12 U37.5 U42.3 U47.4 U50.7 U50.8

## Polygon pours and split planes (outlines as drawn)
GND on Bottom Layer "GND_L06_P128" (solid, remove dead copper, pour order 128): -1,138 173,138 173,-1 -1,-1
VTT_DDR on Bottom Layer "VTT_DDR_L06_P000" (solid, remove dead copper, pour order 0): 143.05,79.3 143.05,82.2 142.625,82.625 136.725,82.625 136.45,82.9 136.45,84.4 136.8,84.75 143.15,84.75 145.5,82.4 145.5,75.9 144.5,74.9 143.45,74.9 142.825,74.275 142.27,74.275 142.075,74.08 142.075,72.85 140.975,71.75 140.125,71.75 140.075,71.7 140.075,70.775 140.125,70.725 140.35,70.725 140.35,70.03 139.795,70.03 139.795,69.07 140.35,69.07 140.35,64.7 139.922,64.325 127.825,64.325 127.825,66.484 137.7,66.484 137.7,72.625 139.6,72.625 139.6,74.275 140.25,74.925 141,74.925 141,75.425 141.8,76.225 141.375,76.65 141.375,77.6 134.825,77.6 134.8,77.575 134.75,77.625 134.75,79.3
NetC116_2 on Bottom Layer "NETC116_2_L06_P088" (solid, remove dead copper, pour order 88): 11.175,21.525 11.175,28.925 12.55,30.3 17.75,30.3 18.35,29.7 18.35,26.375 16.9,24.925 15.5,24.925 14.325,23.75 14.325,22.35 13.5,21.525
GND on Signal Layer 4 "GND_L05_P127" (solid, remove dead copper, pour order 127): -1,138 173,138 173,-1 -1,-1
VDDGPU on Signal Layer 4 "VDDGPU_L05" (solid, remove dead copper, pour order 90): 96.25,68.65 95.875,69.025 95.4,69.025 95.3,69.125 95.3,69.475 95.325,69.5 95.425,69.6 95.85,69.6 96.175,69.925 96.175,70.5 95.15,71.525 95.15,71.775 94.425,72.5 93.5,72.5 92.95,71.95 92.95,70.822 93.425,70.347 93.425,69.91 92.815,69.3 90.324,69.3 90.324,67.512 90.262,67.45 66.325,67.45 63.75,64.875 63.75,62.94 65.983,60.75 96.25,60.75
5V_VIN on Signal Layer 4 "5V_VIN_L05_P101" (solid, remove dead copper, pour order 101): 53.475,86.925 53.475,91.5 51.025,93.95 51.025,121.075 49,123.1 38.15,123.1 37.15,122.1 37.15,119.25 43.15,113.25 43.15,106.607 40.285,103.742 21.692,103.742 21.3,103.35 21.3,101.725 22.075,100.95 22.075,32.75 12.725,23.4 12.725,7.275 17.775,2.225 151.375,2.225 162.15,13 162.15,59.3 166.9,64.05 166.9,68.3 162.937,72.288 162.937,78.188 158.975,82.15 158.975,86.3 151.15,94.125 151.15,103.775 140.45,114.475 127.823,114.475 126.768,113.42 126.768,111.957 127.925,110.85 133.8,110.85 137.975,106.675 137.975,96.125 144.425,89.675 144.425,83 155.7,71.725 155.7,28.575 150.45,23.325 126.175,23.325 123.975,25.525 121.75,25.525 120.55,24.325 120.55,14.079 118.121,11.65 48.6,11.65 44.625,7.675 38.61,7.675 37.513,8.772 37.513,15.999 36.271,17.24 35.586,17.24 35.053,17.24 33.386,15.573 32.598,15.573 31.275,14.25 31.275,13.317 29.174,11.216 28.759,11.216 28.6,11.375 28.6,17.275 31.325,20 31.325,24.85 31.35,24.875 31.35,37.832 34.293,40.775 56.825,40.775 56.825,49.825 40.825,49.825 38.75,51.9 38.75,58.575 38.75,64.5 40.7,66.45 49.615,66.45 54.315,71.15 54.315,83.8 53.913,84.25 52.575,84.25 51.182,82.857 50.733,82.857 50.418,83.172 50.418,83.868
VDD_DDR on Signal Layer 4 "VDD_DDR" (solid, pour order 4): 94.9,72.801 94.9,72.047 96.325,70.622 96.325,70.28 95.48,69.435 95.48,69.125 95.9,69.125 96.327,68.698 96.326,56.451 95.8,55.925 39.875,55.925 39.125,56.675 39.125,78.625 40.98,80.48 40.98,83.37 39.625,84.725 29.3,84.725 29,84.425 29,60.774 29.5,60.274 31.875,57.95 31.875,51.325 34.15,49.05 113.359,49.05 122.175,57.975 126.1,61.9 126.1,63.05 129.15,66.1 138.525,66.1 141.298,68.873 141.298,77.002 140.825,77.475 138.802,77.475 132.902,83.375 121.95,83.375 119.5,80.925 101.25,80.925 98.075,77.75 98.075,75.976
VDDIO on Signal Layer 4 "VDDIO_L05" (solid, remove dead copper, pour order 91): 56.046,69.304 54.325,71.025 54.325,73.67 54.363,83.8 53.925,84.25 52.575,84.25 51.182,82.857 50.733,82.857 50.418,83.172 50.418,83.901 53.742,87.225 60.475,87.225 62.675,85.025 74.6,73.1 76.2,73.1 77.075,72.225 92.911,72.225 92.911,70.564 93.425,70.05 93.425,69.814 92.911,69.3 90.324,69.3 90.17,69.454 87.82,69.454 87.666,69.3 82.421,69.3 77.53,69.304
VDDCPU on Signal Layer 4 "VDDCPU_L05" (solid, remove dead copper, pour order 3): 66.737,88.162 66.737,91.487 67.175,91.95 68.575,91.95 75.175,85.35 90.358,85.35 97.801,77.907 97.801,75.851 94.575,72.625 93.675,72.625 93.675,75.1 89.593,79.182 75.718,79.182
VDDCORE on Signal Layer 4 "VDDCORE_L05" (solid, remove dead copper, pour order 85): 61.925,92.603 61.925,93.1 62.125,93.3 64.8,93.3 66.55,91.55 66.55,88.475 75.996,79.029 89.321,79.029 93.6,74.75 93.6,72.775 93.05,72.225 77.075,72.225 76.225,73.075 74.775,73.075 61.925,85.925
VDDA1V8_AON on Signal Layer 4 "VDDA1V8_AON_L05_P120" (solid, remove dead copper, pour order 120): 64.712,58.162 74.075,58.162 74.075,60.75 65.983,60.75 63.75,62.983 63.75,64.875 66.325,67.45 90.262,67.45 90.262,69.2 90.008,69.454 87.82,69.454 87.666,69.304 60.875,69.304 60.875,61.998 64.013,58.861
VDD_EMMC on Signal Layer 4 "VDD_EMMC" (solid, pour order 1): 108.175,92.425 105.45,89.7 74.276,89.7 73.839,89.263 73.839,86.861 75.2,85.5 106.775,85.5 112.075,90.8 112.075,91.475 111.125,92.425
VDDIO_SDCARD on Signal Layer 4 "VDDIO_SDCARD_L05_P126" (solid, remove dead copper, pour order 126): 160.725,118.45 161.15,118.025 161.15,117.355 160.62,116.825 156.95,116.825 153.363,113.238 151.087,113.238 147.475,116.85 147.475,118.45
1V5_PCIE on Signal Layer 4 "1V5_PCIE_L05_P119" (solid, remove dead copper, pour order 119): 153.225,63.25 153.225,37.35 149.925,34.05 148.4,34.05 147.875,34.575 147.875,42.763 149.3,44.188 149.3,52.4 148,53.7 148,54.888 149.475,56.363 149.475,62.05 150.675,63.25
3V3_STLK on Signal Layer 4 "3V3_STLK_L05_P094" (solid, remove dead copper, pour order 94): 31.275,14.25 32.567,15.542 32.567,17.357 35.658,20.449 42.299,20.449 44.4,22.55 44.4,27.025 36.45,34.975 36.45,38.115 36.989,38.654 51.261,38.654 51.261,40.775 34.293,40.775 31.325,37.807 31.325,20 28.6,17.275 28.6,11.375 28.759,11.216 29.174,11.216 31.275,13.317
GND on Top Layer "GND_L01_P133" (solid, remove dead copper, pour order 133): -1.25,138 172.75,138 172.75,-1 -1.25,-1
VBUS_STLK on Top Layer "VBUS_STLK" (solid, pour order 131): 32.375,5.5 34.018,5.5 38.825,10.307 38.825,13.1 36.45,13.1 36.4,13.05 36.4,11.775 32.375,7.75
GND on Top Layer "GND_L01_P111" (solid, remove dead copper, pour order 111): 173.162,77.725 173.162,109.59 144.855,109.59 144.855,77.725
I_SENS_VDDGPU_P on Top Layer "I_SENS_VDDGPU_P" (solid, pour order 123): 56.225,78.427 60.135,78.427 62.435,80.727 63.075,80.727 63.075,85.777 62.077,85.777 61.627,85.327 61.325,85.025 61.325,81.927 60.945,81.547 56.225,81.547
3V3 on Top Layer "3V3" (solid, pour order 125): 32.1,71.375 32.275,71.2 38.623,71.2 39.925,72.502 39.925,73.35 32.3,73.35 32.1,73.15
VDDIO on Top Layer "VDDIO" (solid, pour order 124): 50.195,81.597 50.195,83.395 50.73,83.93 50.912,83.93 51.35,83.491 51.35,82.95 50.65,82.25 50.65,81.597
I_SENS_VDDCORE_P on Top Layer "I_SENS_VDDCORE_P" (solid, pour order 122): 54.715,84.027 59.977,84.027 61.55,85.6 61.55,91.752 60.91,91.752 59.85,90.692 59.85,87.952 59.42,87.522 54.705,87.522
I_SENS_VDDCPU_P on Top Layer "I_SENS_VDDCPU_P" (solid, pour order 121): 36.325,90.852 37.623,90.852 38.075,90.4 38.075,87.497 38.9,86.672 41.945,86.672 41.945,84.307 41.95,84.302 37.875,84.302 36.325,85.852
VDDIO on Top Layer "VDDIO" (solid, pour order 118): 69.148,78.727 69.3,78.575 69.3,77.075 69.125,76.9 65.902,76.9 65.075,77.727 64.435,77.727 64.435,78.727
NetL6_1 on Top Layer "NetL13_1" (solid, pour order 114): 52.575,76.69 53.038,76.227 54.3,76.227 54.3,73.927 54.298,73.925 53.001,73.925 53.001,75.549 52.575,75.975
VLED on Top Layer "VLED_L01_P017" (solid, remove dead copper, pour order 17): 38.5,123.45 38.5,127.55 40.355,127.55 40.355,123.45
5V_VIN on Top Layer "5V_VIN" (solid, pour order 113): 41.71,78.447 42.367,78.447 42.55,78.63 42.55,78.29 42.067,77.807 41.71,77.807
5V_STLK on Top Layer "5V_STLK_L01_P016" (solid, remove dead copper, pour order 16): 17.95,20.6 24.75,20.6 30.68,14.67 32.575,14.67 32.575,12.863 27.938,12.863 27.62,12.545 27.62,8.07 28.365,7.325 30.612,7.325 31.075,6.862 31.075,5.5 26.075,5.5 24.4,7.175 24.4,13.225 23.475,14.15 21.05,14.15 17.95,17.25
NetC114_2 on Top Layer "NETC114_2_L01_P108" (solid, remove dead copper, pour order 108): 10.925,30.225 10.925,34.375 9,34.375 9,34.775 9.275,35.05 16.825,35.05 18.7,33.175 18.7,28.775 18,28.075 18,22.165 21.95,22.165 21.95,34.95 19.525,37.375 8.275,37.375 7.225,36.325 7.225,30.225
NetC116_2 on Top Layer "NETC116_2_L01_P107" (solid, remove dead copper, pour order 107): 4.675,14.025 4.675,23.1 5.3,23.725 14.425,23.725 14.425,21.65 11.775,21.65 10.475,20.35 10.475,14.025
VIN_JACK on Top Layer "VIN_JACK_L01_P106" (solid, remove dead copper, pour order 106): 4.675,9.475 18.753,9.475 20.875,11.597 20.875,14.9 19.975,15.8 12.55,15.8 10.5,13.75 4.675,13.75
NetC116_2 on Top Layer "NETC116_2_L01_P051" (solid, remove dead copper, pour order 51): 18.05,28.765 17.63,28.345 17.005,28.345 16.225,29.125 15.475,29.125 15.2,28.85 15.2,27.975 15.125,27.9 14.775,27.9 14.675,28 14.675,30.85 18.05,30.85
NetL8_1 on Top Layer "NETL8_1_L01_P050" (solid, remove dead copper, pour order 50): 12.65,29.975 11.425,29.975 11.2,30.2 11.2,34.575 11.425,34.8 14.325,34.8 14.475,34.65 14.475,28.025 14.35,27.9 13.9,27.9 13.825,27.975 13.825,28.8
GND on Signal Layer 2 "GND_L03_P129" (solid, remove dead copper, pour order 129): -1,138 173,138 173,-1 -1,-1
VBUSc on Signal Layer 2 "VBUSC_L03_P030" (solid, remove dead copper, pour order 30): 164.05,25 158.925,25 157.35,23.425 157.35,11.2 157.725,10.825 158.675,10.825 160.875,13.025 160.875,19.04 162.46,20.625 164.05,20.625
VBUS_STLK on Signal Layer 2 "VBUS_STLK_L03_P031" (solid, remove dead copper, pour order 31): 38.142,13.06 37.528,13.675 36.625,13.675 36.425,13.475 36.425,11.612 37.02,11.017 37.02,11 38.025,11 40.825,8.2 43.775,8.2 43.775,11.9 42.615,13.06 39.265,13.06
3V3_DVDD_RGMII2 on Signal Layer 2 "3V3_DVDD_RGMII2" (solid, remove dead copper, pour order 110): 58.125,29.95 65.1,22.975 67.675,22.975 68.875,24.175 68.875,35.925 68.475,36.325 60.4,36.325 58.125,34.05
3V3_DVDD_RGMII1 on Signal Layer 2 "3V3_DVDD_RGMII1_L03_P093" (solid, remove dead copper, pour order 93): 83.125,29.95 90.1,22.975 92.675,22.975 93.875,24.175 93.875,35.925 93.475,36.325 85.4,36.325 83.125,34.05
VDDIO on Signal Layer 2 "VDDIO_L03_P112" (solid, remove dead copper, pour order 112): 93.888,68.922 99.6,74.634 99.6,78.875 101.925,81.2 101.925,82.325 101.6,82.65 100.7,82.65 97.575,79.525 97.575,75.975 97.2,75.6 94.075,75.6 92.502,77.173 90,77.173 90,70.036 91.113,68.922
3V3_DVDD_RGMII3 on Signal Layer 2 "3V3_DVDD_RGMII3_L03_P103" (solid, remove dead copper, pour order 103): 108.125,29.95 115.1,22.975 117.675,22.975 118.875,24.175 118.875,35.925 118.475,36.325 110.4,36.325 108.125,34.05
GND on Signal Layer 3 "GND_L04_P132" (solid, remove dead copper, pour order 132): -1,138 173,138 173,-1 -1,-1
3V3 on Signal Layer 3 "3V3_L04_P116" (solid, remove dead copper, pour order 116): 39.288,79.413 38.488,79.413 37.275,80.625 37.35,81.35 31.8,86.9 31.8,93.25 34.325,95.775 37.9,95.775 54.3,112.175 64.075,112.175 83.6,92.65 107.1,92.65 109.225,90.525 109.225,89.725 109.61,89.34 110.665,89.34 112.175,90.85 112.175,100.275 123.431,111.531 130.231,111.531 134.588,115.887 134.587,123.888 129.525,128.95 115.075,128.95 114.425,128.3 56.9,128.3 55.3,129.9 11.9,129.9 9.4,127.4 4.775,127.4 4.15,126.775 4.15,126.025 11.7,118.425 11.7,110.775 16.4,106.075 16.4,48.35 45,19.75 149.1,19.75 158.475,10.375 167.7,10.375 167.7,11.795 159.986,19.509 159.986,58.136 162.675,60.825 168.65,60.825 170.55,62.725 170.55,90.81 168.26,93.1 160.3,93.1 159.425,93.975 159.425,109.124 154.954,113.595 150.245,113.595 149.75,113.1 149.75,112.175 150.175,111.75 152.225,111.75 155.71,108.265 155.71,86.01 150.4,80.7 150.4,62.15 145,56.75 47.8,56.75 43.9,60.65 43.9,74.8
1V8 on Signal Layer 3 "1V8_L04_P115" (solid, remove dead copper, pour order 115): 55.375,92.425 56.45,93.5 70.4,93.5 71.925,91.975 78.2,85.7 78.2,69.225 79.125,68.3 83.591,68.3 87.671,72.38 95.62,72.38 97.975,70.025 97.975,66.825 98,66.8 98,65.9 98.7,65.2 99.6,65.2 101.075,66.675 101.075,81.685 102.34,82.95 129.8,82.95 133.3,79.45 140.375,79.45 141.5,80.575 141.5,126.425 138.875,129.05 135.9,129.05 135.425,128.575 135.425,90.053 138.233,87.245 138.233,82.855 137.702,82.323 136.423,82.323 123.28,95.467 52.142,95.467 49.875,93.2 49.875,92.775 50.225,92.425
VTT_DDR on Signal Layer 3 "VTT_DDR" (solid, pour order 2): 52.142,95.575 49.017,92.45 34.698,92.45 34.223,91.975 34.223,89.952 40.075,84.1 40.075,80.2 39.5,79.625 38.8,79.625 37.605,80.82 37.605,81.412 31.925,87.091 31.925,93.075 34.45,95.6 47.375,95.6 50.025,98.25 127.075,98.25 138.125,87.2 138.125,82.9 137.625,82.4 136.5,82.4 123.325,95.575
VDDCPU on Signal Layer 3 "VDDCPU" (solid, pour order 97): 53.875,89.075 52.6,87.8 36.528,87.8 34.3,90.028 34.3,91.898 34.727,92.325 55.25,92.325 55.35,92.325 56.425,93.4 68.95,93.4 68.95,89.075
VDD_SDCARD on Signal Layer 3 "VDD_SDCARD" (solid, pour order 117): 45.715,71.775 47.083,70.407 47.083,68.108 46.577,67.602 45.323,67.602 43.875,69.05 43.875,71.425 44.225,71.775
VDDGPU on Signal Layer 3 "VDDGPU" (solid, pour order 98): 63.947,87.275 65.6,87.275 66.925,85.95 66.925,62.65 66.1,61.825 63.925,61.825 62.375,63.375 62.375,85.703
GND on Signal Layer 1 "GND_L02_P099" (solid, remove dead copper, pour order 99): -1,138 173,138 173,-1 -1,-1

## Keep-outs
Keep-Out Layer:
  lines w0.1: 133.661,133.38 142.561,133.38 142.561,135.53 133.661,135.53 133.661,133.38

## Text inside footprints (layer, text, board x,y; h text height)
U40: Top Overlay "1" at 109.425,22.6 h1.5 r90; M14-Top Assembly "40" at 109.275,23.6 h0.5 r90; M14-Top Assembly "31" at 109.275,27.15 h0.5 r90; M14-Top Assembly "30" at 109.75,27.55 h0.5 r90; M14-Top Assembly "21" at 113.35,27.6 h0.5 r90; M14-Top Assembly "20" at 113.85,27.125 h0.5 r90; M14-Top Assembly "11" at 113.85,23.575 h0.5 r90; M14-Top Assembly "10" at 113.35,23.1 h0.5 r90; M14-Top Assembly "1" at 109.75,23.2 h0.5 r90; M14-Top Assembly "41" at 111.55,25.325 h0.5 r90
U41: M14-Top Assembly "1" at 131.895,24.85 h1.5 r180; M14-Top Assembly "4" at 128.22,24.875 h1.5 r180; M14-Top Assembly "5" at 128.195,19.675 h1.5 r180; M14-Top Assembly "8" at 132.02,19.65 h1.5 r180
U42: Top Overlay "1" at 159.375,22.3 h1.4
U43: M14-Top Assembly "K" at 159.5,20.825 h1 r180
U44: M14-Top Assembly "K" at 137.825,18.1 h1 r90
U45: Top Overlay "1" at 140.025,17.15 h1.4
U46: Top Overlay "1" at 142.725,17.15 h1.4
U47: Top Overlay "1" at 40.925,12.664 h1.3; M14-Top Assembly "1" at 41.65,13.014 h0.5; M14-Top Assembly "2" at 42.125,13.014 h0.5; M14-Top Assembly "3" at 42.625,13.014 h0.5; M14-Top Assembly "4" at 42.615,14.197 h0.5; M14-Top Assembly "5" at 42.125,14.189 h0.5; M14-Top Assembly "6" at 41.625,14.189 h0.5
U48: M14-Top Assembly "K" at 39.825,12.5 h1 r90
U49: Top Overlay "1" at 31.675,13.825 h1.5 r90
U50: Top Overlay "1" at 163.775,13.275 h1.5 r90; M14-Top Assembly "21" at 161.5,11.25 h0.5 r270; M14-Top Assembly "20" at 163.3,12.275 h0.5 r270; M14-Top Assembly "16" at 163.3,10.275 h0.5 r270; M14-Top Assembly "15" at 162.5,9.5 h0.5 r270; M14-Top Assembly "11" at 160.5,9.45 h0.5 r270; M14-Top Assembly "10" at 159.675,10.275 h0.5 r270; M14-Top Assembly "6" at 159.675,12.15 h0.5 r270; M14-Top Assembly "5" at 160.5,13.025 h0.5 r270; M14-Top Assembly "1" at 162.5,13.025 h0.5 r270
U51: M14-Top Assembly "K" at 130.62,12.35 h1 r180
U52: Top Overlay "1" at 33.1,3.85 h1.3; M14-Top Assembly "1" at 32.625,4.825 h0.5 r180; M14-Top Assembly "4" at 32.65,6.3 h0.5 r180; M14-Top Assembly "5" at 31.025,6.3 h0.5 r180; M14-Top Assembly "8" at 31.025,4.825 h0.5 r180
X2: M14-Top Assembly "1" at 75.573,60.701 h0.45; M14-Top Assembly "2" at 76.473,60.701 h0.45; M14-Top Assembly "3" at 76.473,61.351 h0.45; M14-Top Assembly "4" at 75.523,61.351 h0.45